# Altium PCB WS485H-V3.PcbDoc (continued)
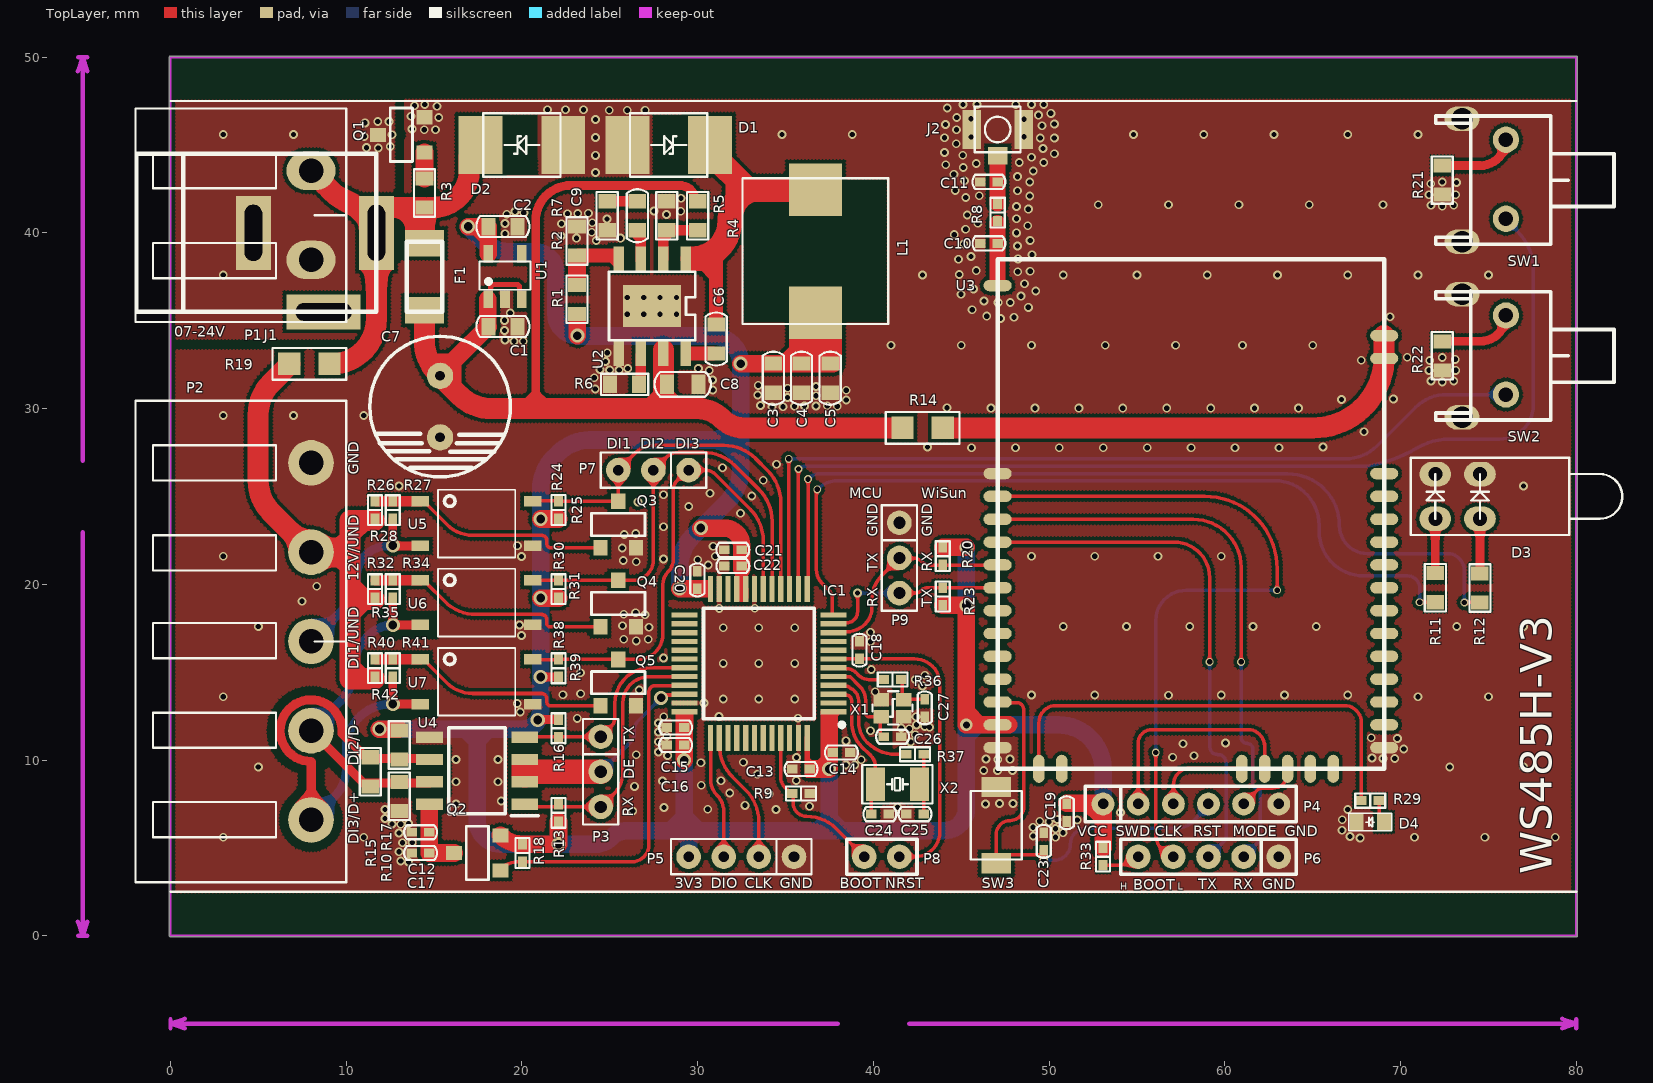
[diagram p0: TopLayer view]
## Nets (pads, with @x,y where several pads share a name; then routed paths per layer and width w, separated by ;. In a path a pad name is that pad's centre, name@x,y a point inside that pad or via, vN(x,y) a via of type N, cw(c..) or ccw(c..) an arc to the next point about the centre after c; other vN are vias at no path point) (continued)
  BottomLayer w0.2: v3(56.07,10.434) 56.07,17.937 cw(c57.793,17.937) 57.793,19.66 v3(62.98,19.66)
BOOT0: IC1.45 P8.1 R9.2 | length 9.3
  TopLayer w0.2: IC1.45 34.732,9 ccw(c35.523,9) 34.964,8.441 35.194,8.253 35.194,8.25 R9.2 35.432,8.1 35.432,7.558 ccw(c36.193,7.558) 36.192,6.797 cw(c36.193,4.402) 37.887,6.095 ; 37.888,6.094 P8.1
D+: P2.5 R15.2 R17.1 R41.1 R42.2 U4.6 U7.2 | length 29.9
  TopLayer w0.5: R42.2@12.651,14.725 v2(12.651,13.185) U7.2
  TopLayer w0.514: 7.98,9.913 cw(c8,11.67) 9.75,11.518 10.97,10.299 11.223,10.299 R15.2 ; P2.5@8.01,6.59 8.01,9.893 ; R15.2@10.955,10.314 R15.2@11.164,10.104 ; R15.2@11.134,10.097 U4.6@14.861,10.097
  BottomLayer w0.5: P2.5 9.375,7.965 ccw(c7.866,9.474) 10,9.474 10,10.64 cw(c12.545,10.64) 12.545,13.185 v2(12.651,13.185)
D-: P2.4 R10.2 R15.1 R34.1 R35.2 U4.7 U6.2 | length 19.4
  TopLayer w0.5: R34.1 v2(12.651,17.685) U6.2
  TopLayer w0.514: P2.4@8.01,11.67 R15.1@11.14,8.54 ; R15.1@11.006,8.693 U4.7@14.733,8.693
  BottomLayer w0.5: P2.4 9.673,13.343 ccw(c7.876,15.139) 10.416,15.139 10.416,15.182 cw(c12.919,15.182) 11.149,16.952 11.339,17.142 cw(c12.651,15.83) v2(12.651,17.685)
DI1: P2.3 R27.1 R28.2 U5.2 | length 10.8
  TopLayer w0.5: R28.2@12.651,23.725 R28.2 v2(12.651,22.2) 12.651,22.185 U5.2
  BottomLayer w0.5: P2.3 10,18.75 ccw(c8.575,20.175) 10.59,20.175 10.59,20.405 cw(c12.37,20.405) 12.37,22.185 12.651,22.185 v2(12.651,22.2)
"FUSE OUT": C1.2 C7.1 C8.2 F1.2 R4.2 R14.1 U1.1 U1.3 U2.7 | length 72.3
  TopLayer w0.3: U1.1 18.215,36.342 18.215,36.864 cw(c18.418,36.864) 18.418,37.067 19.662,37.067 cw(c19.662,36.864) 19.865,36.864 19.865,36.342 U1.3
  TopLayer w0.5: 14.448,32.88 14.626,32.88 16.273,32.88 16.36,32.88 ; 16.31,30.88 16.31,32.92 ; 20.353,30.416 20.707,30.77 ; 20.78,29.855 20.78,40.7 cw(c22.78,40.7) 20.826,41.126 cw(c22.78,40.7) 22.354,42.654 cw(c22.78,40.7) 22.78,42.7 29.099,42.7 ; 20.853,30.77 21.207,30.416 ; 21.4,29.9 21.4,30 ; 28.979,42.7 cw(c28.979,41.799) R4.2@29.88,41.801 ; R4.2 R4.2@30,41.801
  TopLayer w1: C7.1@15.297,31.903 16.273,32.88 C1.2@18.06,34.667 ; U1.1@18.06,36.217 C1.2@18.06,34.667 ; C1.2 C1.2@18.06,34.667
  TopLayer w1.2: F1.2 14.455,33.797 ccw(c16.995,33.797) 14.626,32.88 ccw(c16.995,33.797) 15.199,32.001 15.297,31.903 ccw(c15.34,31.903) C7.1 16.456,30.744 ccw(c18.252,32.54) 18.252,30 21.4,30 29.6,30 ; 27.347,30.009 28.049,30.711 ; U2.7@28.05,33.328 28.05,30.71 28.751,30.009 29.591,30.009 29.6,30 ; R14.1 32.646,28.9 cw(c32.646,30.7) 31.373,29.427 ccw(c29.99,28.045) 29.99,30 29.6,30
GND: C1.1 C2.1 C3.1 C4.1 C5.1 C7.2 C8.1 C10.1 C11.1 C12.1 C13.1 C14.1 C15.2 C16.2 C17.1 C18.2 C19.1 C20.1 C21.2 C22.2 C23.2 C24.2 C25.2 C26.2 C27.2 D1.1 D2.1 D3.2 D3.4 D4.2 IC1.19 IC1.23 IC1.35 IC1.47 J2.2 P2.1 P4.6 P5.1 P6.1 P9.1 Q1.2 Q3.2 Q4.2 Q5.2 R2.1 R5.1 R6.1 R7.1 R9.1 R10.1 R21.2 R22.2 SW1.0 SW2.0 SW3.2 U1.2 U2.0 U2.5 U3.2 U3.14 U3.22 U4.5 U5.3 U6.3 U7.3 X1.3 X1.4 | length 0.2
  TopLayer w0.2: IC1.19@33.22,19.92 33.22,19.738 IC1.19
  other v1: 13.55,4.2 13.099,4.254 13,4.78 13.2,5.29 13.75,5.3 67.701,5.555 3,5.6 11,5.6 50.36,5.6 70.8,5.6 74.8,5.6 78.8,5.6 67.12,5.65 49.1,5.67 13,5.84 50.79,5.86 66.67,6 50.368,6.095 49.09,6.17 12.6,6.36 13.099,6.339 13.55,6.39 50,6.48 49.47,6.51 51.6,6.59 50.46,6.61 66.677,6.605 12.21,6.67 54.069,7.019 26.3,7.1 12.21,7.18 30.57,7.2 34.46,7.19 66.99,7.18 28.084,7.297 41.37,7.31 36.36,7.37 32.7,7.418 16.25,7.49 46.38,7.5 47.18,7.53 47.95,7.53 18.818,7.668 34.07,8.07 31.83,8.12 26.4,8.5 30.2,8.56 16.25,8.76 18.64,8.76 28,8.8 31.33,8.82 35.61,8.83 33.4,9.19 46.28,9.4 47.07,9.4 47.92,9.41 5,9.6 72.8,9.6 77,9.6 38.94,9.71 38.44,9.72 30.182,9.84 32.601,9.877 39.31,10.02 16.25,10.03 18.64,10.03 47.08,10.03 46.41,10.06 47.77,10.05 69.01,10.08 69.67,10.08 68.37,10.12 35.63,10.14 57.03,10.16 58.24,10.24 28.29,10.26 26.5,10.3 27.77,10.45 70.18,10.63 57.618,10.928 60.04,10.97 42.12,11.03 27.77,11.04 38.44,11.09 69.82,11.23 68.33,11.27 28.244,11.35 28.244,11.35 42.39,11.44 27.77,11.6 39.833,11.668 42.043,11.772 41.592,11.826 43.19,11.86 42.92,11.915 42.46,12 27.77,12.102 23.15,12.37 35.71,12.38 28.07,12.46 31.21,12.48 42.42,12.465 19.908,12.726 19.73,13.22 30.36,13.24 31.452,13.47 33.472,13.47 35.522,13.47 3,13.6 71,13.6 75,13.6 49.001,13.699 52.601,13.699 56.796,13.69 59.801,13.699 63.4,13.699 67,13.699 22.329,13.719 23.34,13.77 40.11,13.89 26.67,13.99 42.79,14.22 42.38,14.58 42.93,14.82 23.33,14.97 39.88,15.15 31.452,15.5 33.482,15.5 35.522,15.5 28.056,15.8 39.83,16.73 26.5,16.78 25.79,16.87 27.19,16.87 19.977,17.084 39.84,17.27 31.452,17.53 33.472,17.53 35.522,17.53 27.23,17.56 5,17.6 50.801,17.599 54.401,17.599 58.001,17.599 61.6,17.599 65.2,17.599 73.2,17.6 77,17.6 25.72,17.64 19.866,17.685 27.006,18.269 25.79,18.3 26.47,18.38 31.23,18.63 33.25,18.64 7.478,19.036 8.325,19.885 30.6,21.1 26.5,21.28 25.77,21.35 30,21.4 28.05,21.44 3,21.6 19.977,21.584 31,21.6 49.001,21.599 52.601,21.599 56.201,21.599 59.801,21.599 25.71,22.07 30.88,22.16 19.74,22.19 25.82,22.83 26.48,22.89 28.05,23.27 32.441,24.043 29.491,24.426 33.076,25.026 28.06,25.1 30.706,25.181 13,25.6 77,25.6 33.734,25.924 31.41,26.63 34.483,26.835 45.583,27.774 48.083,27.774 50.583,27.774 53.083,27.774 55.583,27.774 58.083,27.774 60.583,27.774 63.083,27.774 43.083,27.809 65.583,27.812 67.926,28.682 3,29.6 7,29.6 11,29.6 46.694,30.026 49.194,30.026 51.694,30.026 54.194,30.026 56.694,30.026 59.194,30.026 61.694,30.026 64.194,30.026 44.194,30.049 34.228,30.098 34.85,30.098 35.51,30.13 36.08,30.15 36.74,30.15 37.37,30.16 37.94,30.14 33.58,30.17 38.45,30.49 66.645,30.518 69.592,30.547 35.11,30.63 36.74,30.73 33.42,30.77 38.45,31.04 30.86,31.06 24.17,31.12 35.12,31.16 36.73,31.26 33.45,31.32 72.375,31.514 71.736,31.574 73.031,31.574 30.85,31.62 24.12,31.75 24.99,32.19 25.53,32.19 30.66,32.17 71.615,32.175 73.135,32.175 24.44,32.22 26.02,32.28 30.04,32.28 24.75,32.68 71.66,32.74 67.76,32.755 73.11,32.8 70.38,32.919 72.37,32.91 24.85,33.17 41,33.6 45,33.6 49,33.6 53.2,33.6 57.2,33.6 61,33.6 65,33.6 19.55,33.83 20.08,33.83 19.04,33.91 19.014,34.444 19.01,35.02 47.24,35.12 48,35.2 69.404,35.221 46.456,35.26 26,35.362 26.93,35.362 27.86,35.362 28.79,35.362 19.34,35.44 45.62,35.63 48.82,35.76 47.1,36.04 47.79,36.04 46.3,36.12 26,36.317 26.93,36.317 27.86,36.317 28.79,36.317 48.4,36.4 44.99,36.51 49.24,36.69 45.7,36.8 48.6,37.1 42.8,37.6 50.8,37.6 55,37.6 59,37.6 63,37.6 67,37.6 71,37.6 75,37.6 44.89,37.63 48.22,37.79 48.92,37.82 45.85,37.85 44.85,38.5 48.23,38.52 45.55,38.65 49.03,38.75 48.2,39.25 45.14,39.37 48.92,39.56 24.23,39.57 23.1,39.7 25.61,39.7 22.22,39.82 44.6,39.9 19.04,39.95 48.15,40 23.97,40.04 45.25,40.2 48.78,40.4 22.25,40.52 19.03,40.53 24,40.57 45.947,40.552 24.84,40.79 48.15,40.8 45.348,41.02 28.23,41.05 19.13,41.06 22.59,41.09 23.18,41.1 23.78,41.12 20.11,41.15 19.61,41.21 29.03,41.23 27.51,41.25 45.991,41.341 48.82,41.35 48.15,41.5 72.375,41.514 71.736,41.574 73.031,41.574 52.8,41.6 56.8,41.6 60.8,41.6 64.8,41.6 69,41.6 29.05,41.97 45.26,42.006 48.9,42.1 46.02,42.109 71.615,42.175 73.135,42.175 48.2,42.4 44.654,42.415 71.72,42.79 73.18,42.87 48.9,42.9 72.38,42.9 45.187,42.971 48.2,43.2 44.58,43.34 24.18,43.44 49.1,43.52 45.114,43.716 44.12,43.88 45.85,43.95 48.3,44 49.7,44 49,44.3 24.18,44.41 45.09,44.42 50.3,44.5 44.052,44.578 49.65,44.8 44.72,45.07 49.5,45.4 50.3,45.4 44.047,45.41 24.18,45.433 45.564,45.458 48.568,45.463 34.8,45.6 38.8,45.6 54.8,45.6 58.8,45.6 62.8,45.6 67,45.6 71,45.6 14.44,45.87 15.08,45.87 44.73,45.87 13.75,45.91 49.6,46.1 44.102,46.168 50.3,46.2 24.18,46.456 45.56,46.49 48.568,46.473 15.27,46.57 44.75,46.57 13.69,46.64 49.4,46.7 50.1,46.8 21.46,47 22.48,47 23.5,47 24.97,46.98 25.99,46.98 27.01,46.98 44.2,47.1 15.17,47.2 13.88,47.23 14.47,47.3 45.1,47.3 45.9,47.3 48.1,47.3 49,47.3 49.7,47.3
I2C1_SCL: IC1.39
I2C1_SDA: IC1.44
I2C1_SMBA: IC1.42
"IOA9-DC ON": U3.21
"joint point A": Q3.1 R26.2 R27.2 R28.1 U5.1 | length 13.9
  TopLayer w0.2: U5.1 14.416,24.725 U5.1@14.616,24.525 ; U5.1@14.616,24.524 15.755,23.385 ccw(c17.204,24.835) 17.204,22.785 21.116,22.785 cw(c21.116,22.485) 21.416,22.485 21.416,22.304 ccw(c21.64,22.305) 21.604,22.083 Q3.1
  TopLayer w0.6: R26.2@11.734,24.721 R28.1 14.216,24.721 U5.1
"joint point B": Q4.1 R32.2 R34.2 R35.1 U6.1 | length 14
  TopLayer w0.2: U6.1 14.416,20.225 14.616,20.025 14.616,20.014 15.601,19.029 ccw(c17.397,20.825) 17.397,18.285 21.116,18.285 cw(c21.116,17.985) 21.416,17.985 21.416,17.701 21.533,17.583 Q4.1
  TopLayer w0.6: R32.2@11.688,20.225 R34.2 U6.1
"joint point C": Q5.1 R40.2 R41.2 R42.1 U7.1 | length 14
  TopLayer w0.2: U7.1 14.416,15.725 14.616,15.525 14.616,15.504 15.718,14.402 ccw(c17.208,15.893) 17.208,13.785 21.116,13.785 cw(c21.116,13.485) 21.416,13.485 21.416,13.291 ccw(c21.616,13.292) 21.597,13.093 ccw(c21.814,15.479) 21.814,13.083 Q5.1
  TopLayer w0.6: R40.2@11.697,15.725 R42.1 U7.1
KEY0: IC1.14 SW1.1 | length 61.2
  TopLayer w0.2: IC1.14 35.732,26.537 v3@35.757,26.562
  BottomLayer w0.2: v3(35.732,26.562) cw(c36.113,26.181) 36.113,26.72 38.67,26.72 68.064,26.72 68.08,26.72 ccw(c66.793,34.645) 69.503,27.088 ccw(c66.511,35.43) 70.976,27.774 cw(c72.776,24.683) 72.776,28.26 72.778,28.26 75.611,28.26 ccw(c75.611,30.209) 77.56,30.209 77.56,37.895 ccw(c74.444,37.895) 76.647,40.098 ccw(c73.948,38.498) 76.635,40.119 ccw(c73.948,38.498) 76.208,40.676 SW1.1
KEY1: IC1.15 SW2.1 | length 49.5
  TopLayer w0.2: v3(35.182,27.14) 35.184,27.138 35.184,19.786 IC1.15
  BottomLayer w0.2: v3(35.182,27.14) 66.871,27.14 ccw(c66.871,29.68) 68.667,27.884 70.84,30.056 cw(c72.636,28.26) 72.636,30.8 SW2.1
LED1: IC1.12 R11.2 | length 47.2
  TopLayer w0.2: v3(36.805,25.406) 36.757,25.358 36.757,20.836 ccw(c37.851,20.836) 37.077,20.062 37.415,19.725 cw(c36.799,19.109) 37.67,19.109 37.67,18.3 IC1.12 ; v3(71.09,18.979) R11.2
  BottomLayer w0.2: v3(36.805,25.406) cw(c37.997,24.214) 37.99,25.9 cw(c37.997,24.214) 37.997,25.9 40.03,25.9 62.829,25.9 cw(c62.829,23.36) 65.369,23.36 65.369,23.02 ccw(c67.909,23.02) 67.909,20.48 70.382,20.48 cw(c70.382,19.772) 71.09,19.772 v3(71.09,18.979)
LED2: IC1.13 R12.2 | length 49.6
  TopLayer w0.2: IC1.13 36.28,19.786 36.28,25.982 v3(36.282,25.984) ; v3(73.63,18.965) R12.2
  BottomLayer w0.2: v3(36.282,25.984) 36.317,26.019 cw(c36.995,25.342) 36.995,26.3 63.404,26.3 63.521,26.283 63.588,26.283 cw(c63.588,23.345) 66.525,23.345 ccw(c68.124,23.345) 68.124,21.747 72.67,21.747 cw(c72.67,20.787) 73.63,20.787 v3(73.63,18.965)
LED_G: IC1.18 P7.1 Q5.3 R38.1 R39.1 U7.4 | length 27.2
  TopLayer w0.2: U7.4 20.66,15.725 20.66,15.71 R39.1@22.082,15.71 ; R39.1 Q5.3 26.579,15.725 ccw(c26.579,17.166) 28.02,17.166 28.02,19.993 cw(c29.027,19.993) 28.315,20.705 ccw(c27.603,21.417) 28.61,21.417 28.61,25.358 cw(c29.412,25.358) 28.845,25.925 29.376,26.456 cw(c29.482,26.35) P7.1 30.427,26.5 cw(c30.427,25.691) 30.999,26.263 32.988,24.274 cw(c31.192,22.478) 33.008,24.254 cw(c31.192,22.478) 33.732,22.478 IC1.18
LED_R: IC1.16 P7.3 Q3.3 R24.1 R25.1 U5.4 | length 23.1
  TopLayer w0.2: U5.4 20.62,24.725 ccw(c20.62,24.81) 20.68,24.75 22.022,24.75 cw(c22.022,24.665) R25.1 24.5,24.725 Q3.3 P7.3 26.482,27.5 ; 26.483,27.501 cw(c27.448,26.534) 27.448,27.9 31.498,27.9 cw(c31.498,25.36) 33.294,27.156 33.988,26.462 cw(c32.192,24.666) 34.732,24.666 IC1.16
LED_Y: IC1.17 P7.2 Q4.3 R30.1 R31.1 U6.4 | length 25.6
  TopLayer w0.2: U6.4 R31.1 Q4.3 26.32,20.225 ccw(c26.32,21.387) 27.482,21.387 P7.2 28.171,27.189 cw(c28.922,26.438) 28.922,27.5 30.328,27.5 cw(c30.328,24.96) 32.124,26.756 33.488,25.392 cw(c31.692,23.596) 34.232,23.596 IC1.17
MODE: P4.5 U3.19 | length 3.6
  TopLayer w0.2: P4.5 61.874,8.304 cw(c62.064,8.115) 62.064,8.383 62.72,8.383 cw(c63.07,7.5) 63.012,8.448 ; 63.029,8.45 ccw(c63,8.648) 63.087,8.468 ccw(c62.719,9.222) 63.558,9.222 63.558,9.502 U3.19 ; 63.012,8.448 cw(c63.07,7.5) 63.029,8.449 ccw(c63.07,7.5) 63.012,8.448
NetC6_1: C6.1 U2.8 | length 1.5
  TopLayer w0.8: U2.8@29.6,33.134 30.853,33.134 C6.1@30.653,33.134
NetC6_2: C6.2 D1.2 L1.1 U2.1 | length 19.8
  TopLayer w0.6: 30.279,38.181 30.981,37.479 ; 31.89,41.747 31.89,43.053
  TopLayer w0.8: C6.2@31.053,35.066 31.053,37.479 31.053,38.653
  TopLayer w1.4: 30.644,38.534 29.713,38.534 ccw(c29.713,40.643) 31.823,40.643 cw(c33.864,40.643) 32.24,41.88 cw(c33.444,40.963) 33.042,42.422 ; D1.2 30.7,44.601 32.898,42.403 cw(c33.296,40.96) 33.296,42.457 L1.1
NetC9_1: C9.1 R7.2 | length 1.3
  TopLayer w0.6: R7.2@25.14,41.798 C9.1@26.47,41.798
NetC9_2: C9.2 U2.3 | length 2.4
  TopLayer w0.3: C9.2@26.268,39.962 26.692,39.538
  TopLayer w0.6: C9.2@26.53,40.147 26.77,39.907 U2.3@26.77,38.441
NetC10_2: C10.2 R8.1 U3.1 | length 3.6
  TopLayer w0.915: U3.1@47.07,37.212 47.07,39.379 C10.2@47.07,39.579 ; C10.2@47.07,39.281 R8.1@47.07,40.562
NetC11_2: C11.2 J2.1 R8.2 | length 2.7
  TopLayer w0.915: R8.2@47.07,41.677 C11.2 J2.1
NetC25_1: C25.1 R37.2 X2.2 | length 3.1
  TopLayer w0.2: C25.1 X2.2@42.87,8.306 ; X2.2@42.87,8.62 R37.2
NetC27_1: C27.1 R36.2 X1.2 | length 2.4
  TopLayer w0.2: R36.2 41.64,14.531 41.64,13.532 X1.2 ; X1.2@41.757,13.465 C27.1
NetD3_1: D3.1 R12.1 | length 3.1
  TopLayer w0.5: R12.1 D3.1
NetD3_3: D3.3 R11.1 | length 3.1
  TopLayer w0.5: R11.1 D3.3
NetD4_1: D4.1 R29.1 | length 1.4
  TopLayer w0.2: R29.1 68.775,6.749 ccw(c69.05,6.749) D4.1
NetP6_5: P6.5 R33.2 | length 2.2
  TopLayer w0.2: R33.2@53.121,3.979 ccw(c53.07,3.928) R33.2 53.863,4 ccw(c53.863,5.707) P6.5
  BottomLayer w0.2: P6.5@55.04,4.46 55.04,4.47 cw(c55.07,4.47) P6.5
NetQ1_1: Q1.1 R3.1 | length 1.5
  TopLayer w1: R3.1 Q1.1
NetR1_1: R1.1 R2.2 U2.4 | length 4.4
  TopLayer w0.3: 23.418,38.118 23.842,38.542 ; 24.988,38.542 U2.4@25.412,38.118
  TopLayer w0.6: 23.999,38.715 24.028,38.686 ; U2.4@25.499,38.458 U2.4 U2.4@25.499,38.686
  TopLayer w0.8: R2.2@23.258,38.716 23.999,38.716 U2.4@25.299,38.716
  TopLayer w1: R1.1@23.133,37.432 23.133,38.31
NetR4_1: R4.1 R5.2 U2.2 | length 3.1
  TopLayer w0.3: 28.118,39.528 R5.2@28.542,39.952
  TopLayer w0.6: U2.2 28.039,39.839 R5.2@28.047,39.847 ; R5.2@28.397,40.147 R4.1@29.584,40.147
NetR6_2: R6.2 U2.6 | length 1.4
  TopLayer w0.6: R6.2@26.77,31.664 U2.6@26.77,33.041
NetR14_2: R14.2 U3.35 U3.36 | length 28.7
  TopLayer w1.2: R14.2 65.018,28.9 ccw(c65.018,32.952) U3.35@69.07,32.952 ; U3.35 U3.36
NetR21_1: R21.1 SW1.2 | length 4.5
  TopLayer w0.5: R21.1 74.525,43.826 ccw(c74.525,45.3) SW1.2
NetR22_1: R22.1 SW2.2 | length 4.5
  TopLayer w0.5: R22.1 74.525,33.826 ccw(c74.525,35.3) SW2.2
NRST: C18.1 IC1.7 P8.2 | length 18.4
  TopLayer w0.2: IC1.7 C18.1 42.336,15.75 cw(c42.336,14.268) 43.384,15.316 cw(c42.425,14.359) 43.78,14.362 43.78,14.36 43.78,5.908 cw(c42.372,5.908) 42.372,4.5 P8.2
OSC32-IN: C24.1 IC1.3 X2.1 | length 8.2
  TopLayer w0.2: IC1.3 38.001,13.75 cw(c38.001,13.579) 38.122,13.7 38.457,13.7 cw(c38.457,13.4) 38.549,13.686 cw(c38.457,13.4) 38.757,13.401 38.757,12.015 38.794,11.809 ccw(c40.828,12.174) 39.374,10.706 ccw(c41.286,12.639) 39.607,10.501 39.831,10.285 cw(c39.692,10.141) 39.834,10.282 cw(c39.119,9.581) 40.12,9.581 40.12,8.625 X2.1 39.87,7.77 C24.1
OSC32-OUT: IC1.4 R37.1 | length 6.8
  TopLayer w0.2: IC1.4 38.047,14.25 cw(c38.047,14.079) 38.167,14.2 38.457,14.2 cw(c38.457,13.9) 38.669,14.113 ccw(c38.809,14.255) 38.713,14.08 cw(c38.248,13.238) 38.902,13.943 cw(c38.248,13.238) 38.928,13.918 cw(c38.457,13.4) 39.157,13.4 39.157,13.352 ccw(c39.757,13.352) 39.157,13.351 39.162,12.176 ccw(c40.828,12.174) 39.651,10.995 ccw(c41.286,12.639) 41.286,10.32 41.866,10.32 R37.1
OSO_IN: C26.1 IC1.5 X1.1 | length 5.5
  TopLayer w0.2: IC1.5 38.592,14.75 cw(c38.592,14.579) 38.713,14.7 39.141,14.273 cw(c38.132,13.262) 39.18,14.232 39.181,14.23 ccw(c39.327,14.367) 39.189,14.223 cw(c38.248,13.238) 39.204,14.208 cw(c38.457,13.4) 39.234,14.179 cw(c38.457,13.4) 39.237,14.176 cw(c38.457,13.4) 39.557,13.4 39.557,13.352 ccw(c39.757,13.352) 39.558,13.341 cw(c38.132,13.262) 39.56,13.262 39.56,12.67 ccw(c39.765,12.67) 39.765,12.465 X1.1@40.235,12.465 ; C26.1@40.392,11.476 40.392,12.178 40.235,12.178 X1.1@40.235,12.465 ; X1.1 X1.1@40.235,12.465
OSO_OUT: IC1.6 R36.1 | length 2.4
  TopLayer w0.2: 38.475,15.2 cw(c38.475,14.466) 38.994,14.985 39.152,14.827 ; 39.197,14.782 39.152,14.827 ; R36.1 39.75,14.579 cw(c39.75,15.425) 39.152,14.827
PGND: J1.2 P1.2 Q1.3
  other v1: 3,37.6 11.82,44.83 11.16,44.85 12.507,44.917 11.02,45.49 12.61,45.58 3,45.6 7,45.6 11.07,46.26 11.79,46.34 12.44,46.33
RESET: C23.1 P4.4 SW3.1 U3.12 | length 24.9
  TopLayer w0.2: U3.12 cw(c47.07,13.27) 47.102,13.27 48.15,13.27 cw(c48.15,12.865) 48.555,12.865 48.555,7.334 cw(c47.775,7.334) 47.775,6.554 ccw(c47.775,5.774) 46.995,5.774 46.995,4.619 49.445,4.619
  TopLayer w0.5: v1(49.695,4.294) C23.1
  BottomLayer w0.2: v1(49.695,4.294) 50.295,4.294 ccw(c50.295,5.207) 51.208,5.207 cw(c52.121,5.207) 52.121,6.12 57.271,6.12 57.272,6.12 ccw(c57.272,7.417) 58.19,6.5 59.07,7.38 P4.4
RS485-DE: IC1.34 P3.2 U4.2 U4.3 | length 11.5
  TopLayer w0.2: v2(27.923,13.54) 28.085,13.54 28.245,13.7 29.194,13.7 IC1.34
  TopLayer w1.4: 20.377,9.33 P3.2
  TopLayer w1.525: 20.157,9.208 20.157,9.57
  BottomLayer w0.2: P3.2 26.232,11.08 ccw(c25.852,11.461) 26.39,11.461 26.39,11.684 cw(c27.169,11.684) 26.619,12.236 v2(27.923,13.54)
RS485_switch: IC1.33 Q2.1 R18.1 | length 20.1
  TopLayer w0.2: Q2.1 18.814,3.791 18.83,3.829 cw(c19.721,2.938) 19.721,4.198 20.018,4.198 R18.1 26.273,4.21 ccw(c26.273,5.157) 27.22,5.157 27.22,13.86 cw(c27.6,13.86) 27.6,14.24 28.67,14.24 cw(c28.694,14.216) 28.694,14.25 IC1.33
RS485_VCC_3V3: C12.2 C17.2 Q2.3 U4.8 | length 3.9
  TopLayer w1: U4.8@14.732,7.201 C12.2 14.732,4.7 14.742,4.71 Q2.3
RXD: P6.2 U3.4 | length 32.9
  TopLayer w0.2: U3.4 58.194,23.702 cw(c58.194,20.967) 60.929,20.967 v3(60.929,15.585)
  BottomLayer w0.2: v3(60.929,15.585) 60.929,11.281 ccw(c61.27,11.281) 61.27,10.94 cw(c61.27,10.61) 61.6,10.61 61.6,8.61 ccw(c61.81,8.61) 61.81,8.4 cw(c61.81,8.19) 62.02,8.19 62.02,5.748 cw(c61.301,5.748) 61.809,5.239 P6.2
SPI2_MISO: IC1.28
SPI2_MOSI: IC1.29
SPI2_NSS: IC1.26
SPI2_SCK: IC1.27
SWCLK: IC1.38 P5.2 | length 7.5
  TopLayer w0.2: IC1.38 31.232,10.84 ccw(c33.772,10.84) 31.976,9.044 32.738,8.282 cw(c30.942,6.486) 33.482,6.486 P5.2
SWCLK-W: P4.3 U3.17 | length 5.5
  TopLayer w0.2: P4.3 57.07,8.577 cw(c58.023,8.577) 58.023,9.53 60.72,9.53 ccw(c60.748,9.53) 60.748,9.502 U3.17
SWD-W: P4.2 U3.18 | length 12.9
  TopLayer w0.2: P4.2 55.07,10.96 cw(c55.84,10.96) 55.84,11.73 61.313,11.73 cw(c61.313,10.773) 62.27,10.773 U3.18
SWDIO: IC1.37 P5.3 | length 7
  TopLayer w0.2: IC1.37 30.732,8.898 ccw(c32.012,8.898) 31.107,7.993 ; 31.107,7.993 cw(c30.202,7.088) 31.482,7.088 P5.3
TXD: P6.3 U3.5 | length 30.3
  TopLayer w0.2: U3.5 57.12,22.402 cw(c57.12,20.387) 59.135,20.387 v3(59.135,15.585) ; P6.3 ccw(c59.07,4.58) 59.15,4.58 P6.3@59.15,4.71
  BottomLayer w0.2: P6.3 59.984,5.414 59.985,5.415 ccw(c59.779,5.623) 60.072,5.623 60.072,9.838 ccw(c59.6,9.838) 59.6,10.31 cw(c59.6,10.775) 59.135,10.775 v3(59.135,15.585)
UART1-RX: IC1.32 P3.3 R13.1 U4.1 | length 14.8
  TopLayer w0.2: U4.1@20.246,7.33 R13.1@21.998,7.33 ; R13.1@22.166,7.33 P3.3 25.24,8.088 ccw(c24.008,9.32) 25.75,9.32 25.75,13.267 cw(c27.223,13.267) 26.181,14.309 cw(c27.223,13.267) 27.223,14.74 29.234,14.74 IC1.32
UART1-TX: IC1.31 P3.1 R16.1 U4.4 | length 11.7
  TopLayer w0.2: U4.4 U4.4@20.162,11.305 ; U4.4@20.162,11.33 R16.1@22.082,11.33 ; R16.1 22.107,11.33 P3.1 25.116,11.964 ; 25.116,11.964 ccw(c24.696,12.384) 25.29,12.384 25.29,13.23 cw(c27.31,13.23) 27.31,15.25 IC1.31
UART3_RX: IC1.25
UART3_TX: IC1.22
USART2-RX: IC1.11 P9.3 R23.1 U3.7 | length 10.9
  TopLayer w0.2: IC1.11 38.357,17.8 38.457,17.8 ccw(c38.457,18.443) 39.1,18.443 39.1,19.443 v1@39.1,19.51 ; P9.3 42.367,19.5 ccw(c42.367,20.015) 42.731,19.651 ; 42.731,19.651 cw(c43.095,19.287) 43.095,19.802 R23.1 U3.7
  BottomLayer w0.2: v1@39.1,19.51 39.11,19.5 P9.3
  other v1: 39.1,19.5
USART2-TX: IC1.10 P9.2 R20.1 U3.6 | length 11.3
  TopLayer w0.2: 38.475,17.3 ccw(c38.475,18.794) 39.53,17.737 ccw(c38.619,18.652) 39.91,18.652 39.91,19.119 cw(c41.863,19.119) 40.483,20.501 P9.2 41.988,21.5 cw(c41.988,21.432) 42.036,21.48 42.294,21.48 cw(c42.294,20.814) 42.765,21.285 ccw(c43.236,21.756) 43.236,21.09 47.058,21.09 U3.6
VCC: P2.2 R19.2 R26.1 R32.1 R40.1 | length 33.6
  TopLayer w0.6: P2.2@9.266,21.574 9.974,20.866 ; P2.2@9.266,22.046 9.974,22.754 ; 10.366,15.524 11.074,14.816 ; 10.446,18.196 11.154,18.904 ; 10.446,20.084 11.154,19.376 ; 10.446,22.696 11.154,23.404
  TopLayer w1.2: R19.2 6.808,32.542 6.81,32.54 5.734,31.464 ccw(c7.53,29.668) 4.99,29.668 4.99,25.892 ccw(c7.53,25.892) 5.734,24.096 P2.2 10,21.83 ; 10.21,14.626 10.998,14.626 R40.1@11.601,14.626 ; 10.21,14.726 10.21,19.125 ; R32.1@11.601,19.125 10.21,19.125 ; R26.1@11.601,23.622 10.21,23.622 10.21,19.125
VIN: D2.2 F1.1 J1.1 P1.1 R3.2 R19.1 | length 30
  TopLayer w1: J1.1@12.702,41.348 cw(c12.702,40.2) 13.85,40.2
  TopLayer w1.2: P1.1@8.8,42.74 8.8,42.769 8.029,43.54 P1.1 8.799,42.741 9.2,42.34 ccw(c11.374,44.514) 11.374,41.44 11.692,41.121 11.714,41.1 J1.1 11.714,35.082 cw(c9.174,35.082) 11.586,34.288 ccw(c12.726,33.912) 11.579,34.266 cw(c10.815,34.502) 11.554,34.196 cw(c9.174,35.082) 9.734,32.605 cw(c9.174,35.082) 9.174,32.542 R19.1 ; J1.1@11.777,41.44 12.702,41.44 13.95,41.44 R3.2 14.455,40.98 14.455,40.189 ; F1.1@13.95,39.899 13.95,40.98 ; F1.1 14.455,40.189 ; D2.2 17,44.35 17,43.51 cw(c14.93,43.51) 14.93,41.44 14.703,41.44 ccw(c17.738,40.189) 14.455,40.189
WISUN-KEY0: U3.16
WISUN-LED1: R29.2 U3.15 | length 26.5
  TopLayer w0.2: U3.15 49.42,12.124 cw(c50.396,12.124) 50.396,13.1 66.799,13.1 cw(c66.799,12.124) 67.775,12.124 R29.2
pads on no net: IC1.2 IC1.30 IC1.40 IC1.41 IC1.43 IC1.46 J1.3 U1.4 U3.8 U3.9 U3.10 U3.11 U3.23 U3.24 U3.25 U3.26 U3.27 U3.28 U3.29 U3.30 U3.31 U3.32 U3.33 U3.34
copper on no net:
  other v1: 26.6,24.69

## Polygon pours and split planes (outlines as drawn)
GND on TopLayer "TopLayer-No Net 1" (hatched 90Degree grid 0.2 track 0.2, remove dead copper, pour order 1006): 79.973,0.01 79.973,50.01 -0.027,50.01 -0.027,0.01
PGND on TopLayer "TopLayer-No Net 1" (hatched 90Degree grid 0.2 track 0.2, remove dead copper, pour order 1005): 0,47.5 12.69,47.5 12.69,34 0,34
GND on BottomLayer "TopLayer-No Net 1" (hatched 90Degree grid 0.2 track 0.2, remove dead copper, pour order 1008): 79.99,0.01 79.99,50.01 -0.01,50.01 -0.01,0.01
PGND on BottomLayer "TopLayer-No Net 1" (hatched 90Degree grid 0.2 track 0.2, remove dead copper, pour order 1007): 0,47.5 12.69,47.5 12.69,34 0,34

## Keep-outs
KeepOutLayer:
  lines w0.127: 0,0 80,0 80,50 0,50 0,0
  lines w0.254: -5.267,0.8 -5,0 ; -5.267,49.2 -5,50 ; -5.254,0 -4.746,0 ; -5.254,50 -4.746,50 ; -5,22.97 -5,0 ; -5,27.03 -5,50 ; -4.733,0.8 -5,0 ; -4.733,49.2 -5,50 ; 0,-5.254 0,-4.746 ; 0.8,-5.267 0,-5 ; 0.8,-4.733 0,-5 ; 37.97,-5 0,-5 ; 42.03,-5 80,-5 ; 79.2,-5.267 80,-5 ; 79.2,-4.733 80,-5 ; 80,-5.254 80,-4.746
  text "50mm" at -4.5,23.224 h0.8 r90
  text "80mm" at 38.224,-5.5 h0.8

## Other copper
TopLayer:
  pour cut-out: 19,46.8 19,43.2 21,43.2 21,43.25 20.99,46.8
  pour cut-out: 40.67,7.51 42.072,7.51 42.072,9.765 40.67,9.765
  pour cut-out: 29.35,43.2 29.35,46.8 27.35,46.8 27.35,46.75 27.36,43.2
  pour cut-out: 40.85,43.107 40.85,34.807 32.55,34.807 32.55,43.107
  pour cut-out: 80.071,47.551 80.071,50.065 -0.057,50.065 -0.057,47.561
  pour cut-out: 80.064,-0.005 80.064,2.509 -0.064,2.509 -0.064,0.005
BottomLayer:
  pour cut-out: 80.065,47.553 80.065,50.067 -0.063,50.067 -0.063,47.563
  pour cut-out: 80.064,-0.074 80.064,2.44 -0.064,2.44 -0.064,-0.064

## Silkscreen, mask and mechanical layers (free items; w line width, h text height)
TopOverlay:
  lines w0.127: 0,2.5 80,2.5 ; 0,47.5 80,47.5
  text "07-24V" at 0.2,34.1 h0.6
  text "DI1" at 24.832,27.71 h0.6
  text "DI2" at 26.732,27.71 h0.6
  text "DI3" at 28.732,27.71 h0.6
  text "GND" at 10.7,26.244 h0.6 r90
  text "MCU" at 38.639,24.9 h0.6
  text "WiSun" at 42.738,24.9 h0.6
  text "GND" at 40.238,22.7 h0.6 r90
  text "GND" at 43.338,22.7 h0.6 r90
  text "TX" at 40.238,20.7 h0.6 r90
  text "RX" at 43.338,20.7 h0.6 r90
  text "12V/UND" at 10.7,20.206 h0.6 r90
  text "RX" at 40.238,18.7 h0.6 r90
  text "TX" at 43.338,18.7 h0.6 r90
  text "DI1/UND" at 10.7,15.167 h0.6 r90
  text "TX" at 26.39,10.88 h0.6 r90
  text "DI2/D-" at 10.7,9.66 h0.6 r90
  text "DE" at 26.39,8.91 h0.6 r90
  text "RX" at 26.34,6.77 h0.6 r90
  text "VCC" at 51.604,5.655 h0.6
  text "SWD" at 53.804,5.655 h0.6
  text "CLK" at 56.004,5.655 h0.6
  text "RST" at 58.204,5.655 h0.6
  text "MODE" at 60.454,5.655 h0.6
  text "GND" at 63.404,5.655 h0.6
  text "DI3/D+" at 10.7,5.215 h0.6 r90
  text "WS485H-V3" at 78.6,3.5 h1.8 r90
  text "3V3" at 28.682,2.69 h0.6
  text "DIO" at 30.732,2.69 h0.6
  text "CLK" at 32.682,2.69 h0.6
  text "GND" at 34.682,2.69 h0.6
  text "BOOT" at 38.082,2.69 h0.6
  text "NRST" at 40.682,2.69 h0.6
  text "TX" at 58.487,2.64 h0.6
  text "RX" at 60.487,2.64 h0.6
  text "GND" at 62.137,2.64 h0.6
  text "H" at 54.06,2.62 h0.4
  text "BOOT" at 54.79,2.62 h0.6
  text "L" at 57.31,2.62 h0.4
BottomOverlay:
  text "0R" at 13.8,22.8 h0.6 r90
  text "0R" at 13.8,18.4 h0.6 r90
  text "0R" at 13.8,13.8 h0.6 r90
Mechanical1:
  circle w0.254: c17.416,23.455 r0.078
  circle w0.254: c17.416,23.455 r0.078
  lines w0.127: -2.01,0.62 -2.01,50.62 ; -0.01,25.62 79.99,25.62 ; 39.99,0.62 39.99,50.62 ; 81.99,0.62 81.99,50.62
  lines w0.254: -4.55,-0.38 -2.01,-0.38 ; -3.534,-0.888 -2.01,-0.38 ; -3.534,0.128 -2.01,-0.38 ; -2.01,-0.634 -2.01,-0.126 ; -0.01,-0.634 -0.01,-0.126 ; -0.01,51.755 -0.01,52.263 ; 1.514,-0.888 -0.01,-0.38 ; 1.514,0.128 -0.01,-0.38 ; 1.514,51.501 -0.01,52.009 ; 1.514,52.517 -0.01,52.009 ; 2.53,-0.38 -0.01,-0.38 ; 3.883,52.009 -0.01,52.009 ; 12.597,52.009 16.49,52.009 ; 14.966,51.501 16.49,52.009 ; 14.966,52.517 16.49,52.009 ; 18.014,51.501 16.49,52.009 ; 18.014,52.517 16.49,52.009 ; 37.843,52.009 16.49,52.009 ; 46.637,52.009 67.99,52.009 ; 66.466,51.501 67.99,52.009 ; 66.466,52.517 67.99,52.009 ; 69.514,51.501 67.99,52.009 ; 69.514,52.517 67.99,52.009 ; 70.511,52.009 67.99,52.009 ; 77.45,-0.799 79.99,-0.799 ; 77.469,52.009 79.99,52.009 ; 78.466,-1.307 79.99,-0.799 ; 78.466,-0.291 79.99,-0.799 ; 78.466,51.501 79.99,52.009 ; 78.466,52.517 79.99,52.009 ; 79.99,-1.053 79.99,-0.545 ; 79.99,51.755 79.99,52.263 ; 81.99,-1.053 81.99,-0.545 ; 83.514,-1.307 81.99,-0.799 ; 83.514,-0.291 81.99,-0.799 ; 84.53,-0.799 81.99,-0.799 ; 16.49,51.755 16.49,52.263 16.49,51.755 ; 67.99,51.755 67.99,52.263 67.99,51.755
  text "16.5mm" at 4.137,51.095 h1.52
  text "51.5mm" at 38.097,51.095 h1.52
  text "12mm" at 70.765,51.095 h1.52
  text "2mm" at -3.676,-4.037 h1.52
  text "2mm" at 78.324,-4.456 h1.52
Mechanical13:
  circle w0.2: c15.34,30.31 r0.46
  lines w0.2: 14.455,35.5 ccw(c19.647,35.192) 19.338,30 ; 18.2,40.2 cw(c18.09,40.358) 18.282,40.358
  text "關於UART，或是其餘需要用到GND的地方，其實就在旁邊家的GND會更好！！！" at 21.998,57.901 h0.6
  text "可以家電源指示燈，也可以用旁邊的燈用韌體來改動！！" at 23.208,56.681 h0.6
  text "UART 需要看誰傳資料、誰為主體，部不然很容易搞混！！！" at 22.736,55.361 h0.6
  text "Q1、D2、F1順序要對" at 11.549,48.376 h0.6
  text "需要加入5v的保線絲" at 12.686,37.101 h0.6
  text "調整線路，要塞5V線過去" at 40.265,32.136 h0.6
  text "這裡要個0R大電阻！！" at 41.002,30.841 h0.6
  text "因為是共lay， / 所以3v3不能直接連過去， / 會影響到DCDC部分的。" at 13.543,28.769 h0.6
  text "這邊或許可以整理得更好， / 讓訊號不用繞+GND OK。" at 21.317,22.339 h0.6
  text "R18可以橫擺" at 31.829,7.826 h0.6